# KiCad board RP2040-Breadstick Panel.kicad_pcb (continued)
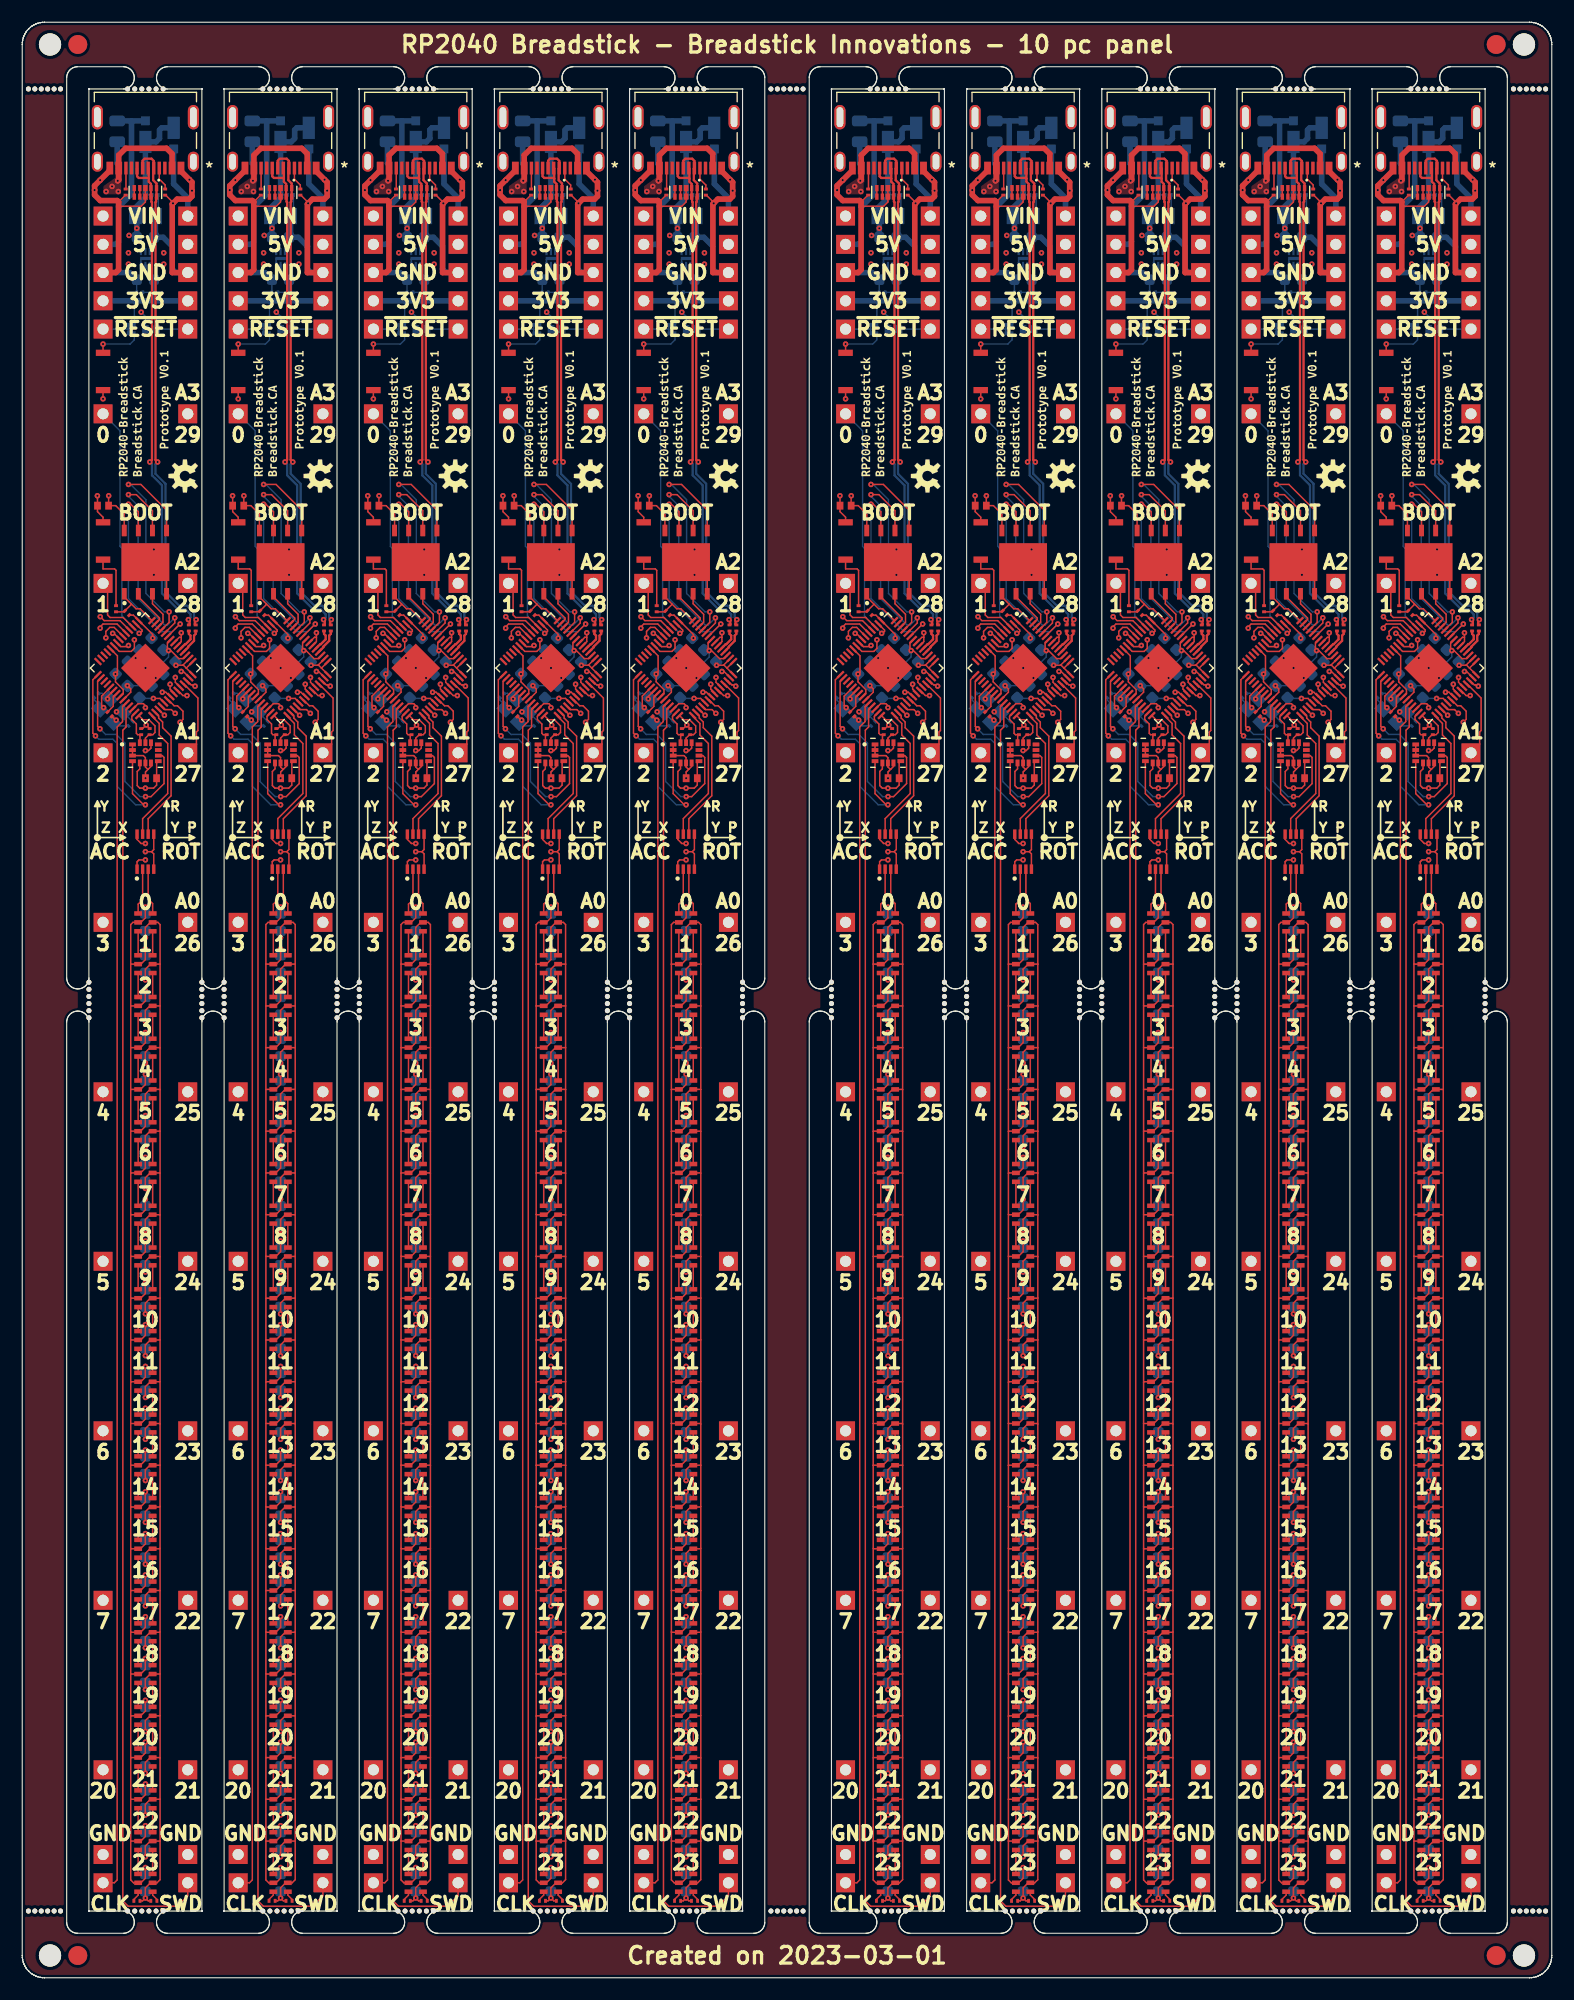
[diagram p0: board, top side]
## Routing (per net, layer and track width the routed paths; a pad name or vN(x,y) marks a point on that pad's centre or on a via; arc(x,y) is an arc through that point) (continued)
Board_7-/RP2040/D6: length 73.9
  L1_SIG.Cu w0.127: v1(100.68,119.79) 100.57,119.69 99.99,119.69 U201#5.8
  L3_SIG.Cu w0.127: v1(100.68,119.79) 100.32,119.79 100.04,119.51 100.04,117.72 101.1,116.66 101.1,114.03 100.91,113.84 100.91,112.07 100.85,112.01 100.85,108.08 100.7,107.93 100.7,92.21 100.18,91.69 100.18,63.31 98.39,61.52 J211#3.1
Board_7-/RP2040/D7: length 91.4
  L1_SIG.Cu w0.127: v1(101.21,120.3) 101.21,119.54 100.93,119.26 99.85,119.26 U201#5.9
  L3_SIG.Cu w0.127: v1(101.21,120.3) 101.21,119.33 100.81,118.93 100.81,118.17 101.87,117.11 101.87,114.79 101.53,114.45 101.53,113.42 101.3,113.19 101.3,107.8 101.18,107.68 101.18,91.44 100.94,91.2 100.94,62.09 99.72,60.87 99.72,44.1 98.39,42.77 J212#4.1
Board_7-/RP2040/D20: length 98.8
  L1_SIG.Cu w0.127: v1(103.91,113.52) 103.89,113.52 U201#5.31
  L3_SIG.Cu w0.127: v1(103.91,113.52) 102.39,113.52 101.71,112.84 101.71,61.15 100.97,60.41 100.97,32.49 98.39,29.91 J204#6.1
Board_7-/RP2040/D21: length 99.2
  L1_SIG.Cu w0.127: U201#5.32 103.95,114.03 104.54,114.03 104.87,113.69 v1(104.88,113.69)
  L3_SIG.Cu w0.127: v1(104.88,113.69) 104.68,113.49 104.68,113.17 104.51,113 103.71,113 102.71,112 102.71,61.15 103.46,60.4 103.46,32.39 106.01,29.84 J203#9.1
Board_7-/RP2040/D22: length 84.5
  L1_SIG.Cu w0.127: v1(105.32,112.89) 105.58,113.15 105.58,113.88 105.09,114.37 104.79,114.37 104.25,114.91 U201#5.34
  L3_SIG.Cu w0.127: v1(105.32,112.89) 105.04,112.61 103.97,112.61 103.18,111.82 103.18,107.82 103.26,107.74 103.26,91.48 103.49,91.25 103.49,62.28 104.71,61.06 104.71,44.18 105.95,42.94 105.95,34 J213#4.1
Board_7-/RP2040/D23: length 71.1
  L1_SIG.Cu w0.127: U201#5.35 104.43,115.19 104.03,115.59 v1(103.72,115.59)
  L3_SIG.Cu w0.127: v1(103.72,115.59) 104.04,115.59 105.84,113.79 105.84,112.48 105.6,112.24 104.18,112.24 103.64,111.7 103.64,108.08 103.78,107.94 103.78,92.01 104.23,91.56 104.23,63.31 106.01,61.53 J214#10.1
Board_7-/RP2040/D24: length 56.2
  L1_SIG.Cu w0.127: U201#5.36 104.77,115.52 104.42,115.87 v1(104.42,116.31)
  L3_SIG.Cu w0.127: v1(104.42,116.31) 104.42,115.87 106.21,114.08 106.21,112.19 105.93,111.92 104.38,111.92 104.06,111.6 104.06,108.31 104.32,108.05 104.32,92.71 104.88,92.15 104.88,78.12 106.01,76.99 J215#6.1
Board_7-/RP2040/D25: length 39.4
  L1_SIG.Cu w0.127: v1(105.94,115.29) 105.57,115.29 105.1,115.76 U201#5.37
  L3_SIG.Cu w0.127: v1(105.94,115.29) 106.56,114.67 106.56,111.95 106.24,111.63 104.66,111.63 104.47,111.44 104.47,108.69 104.89,108.27 104.89,93.35 106.01,92.23 J202#2.1
Board_7-/RP2040/MCU_QSPI_CSN: length 5.4
  L1_SIG.Cu w0.127: 100.92,123.54 101.36,123.09 101.72,123.09 U201#5.56 ; 100.92,123.54 100.92,123.47 R205#4.2 100.27,122.82 R204#8.2 ; 100.92,123.54 100.3,124.16 U203#6.1
Board_7-/RP2040/MCU_QSPI_SCLK: length 20.6
  L1_SIG.Cu w0.127: v1(104.84,122.28) 104.84,121.82 U201#5.52 ; U203#6.6 102.84,131.91 101.39,133.36 v1(100.68,133.36)
  L8_SIG.Cu w0.127: v1(104.84,122.28) 104.18,121.62 103.93,121.62 101.54,124.01 101.54,132.34 100.68,133.2 v1(100.68,133.36)
Board_7-/RP2040/MCU_QSPI_SD0: length 21.5
  L1_SIG.Cu w0.127: U203#6.5 104.11,131.96 101.79,134.27 v1(100.68,134.27) ; v1(104.33,122.81) 104.33,121.87 U201#5.53
  L8_SIG.Cu w0.127: v1(100.68,134.27) 100.88,134.27 102.25,132.9 102.25,124.47 103.9,122.81 v1(104.33,122.81)
Board_7-/RP2040/MCU_QSPI_SD1: length 3.6
  L1_SIG.Cu w0.127: U201#5.55 103.47,122.14 103.47,122.26 101.56,124.16 U203#6.2
Board_7-/RP2040/MCU_QSPI_SD2: length 3.5
  L1_SIG.Cu w0.127: U203#6.3 102.84,123.55 103.78,122.6 103.78,121.89 U201#5.54
Board_7-/RP2040/MCU_QSPI_SD3: length 19.1
  L1_SIG.Cu w0.127: v1(100.68,132.49) 100.88,132.49 101.56,131.81 U203#6.7 ; v1(105.32,121.72) 105.31,121.72 U201#5.51
  L8_SIG.Cu w0.127: v1(105.32,121.72) 104.64,121.04 103.65,121.04 100.68,124.01 v1(100.68,132.49)
Board_7-/RP2040/MCU_USB_D+: length 2.1
  L1_SIG.Cu w0.2: U201#5.47 105.76,119.91 105.82,119.91
  L1_SIG.Cu w0.203: 105.82,119.91 106.26,120.35 106.26,120.68 106.11,120.83 R203#2.1
Board_7-/RP2040/MCU_USB_D-: length 2.3
  L1_SIG.Cu w0.2: U201#5.46 106.05,119.63 106.05,119.68
  L1_SIG.Cu w0.203: 106.05,119.68 106.58,120.21 106.58,120.68 106.72,120.83 R202#5.1
Board_7-/RP2040/USB_D+: length 45.2
  L1_SIG.Cu w0.203: 102.5,161.77 102.44,161.83 101.6,161.83 101.45,161.98 J221#10.B6 ; 102.5,161.77 102.5,162.67 J221#10.A6 ; 102.5,161.77 102.5,161.49 102.7,161.29 U202#6.2 U202#6.9 102.74,160.11 102.74,159.7 102.79,159.64 102.79,136.48 v1(102.6,136.29) ; R203#2.2 106.18,121.71 106.18,122 v1(106.07,122.12)
  L8_SIG.Cu w0.203: v1(106.07,122.12) 106.26,122.31 106.26,122.6 105.8,123.05 105.11,123.05 103.69,124.47 103.69,134.19 102.79,135.09 102.79,136.1 v1(102.6,136.29)
Board_7-/RP2040/USB_D-: length 45.9
  L1_SIG.Cu w0.203: v1(106.77,122.12) 106.65,122 106.65,121.71 R202#5.2 ; J221#10.A7 101.95,163.38 102.13,163.56 102.75,163.56 102.95,163.36 J221#10.B7 102.9,162.67 102.9,161.63 103.2,161.33 U202#6.1 U202#6.10 103.16,160.11 103.16,159.7 103.11,159.64 103.11,136.48 v1(103.3,136.29)
  L8_SIG.Cu w0.203: v1(106.77,122.12) 106.58,122.31 106.58,122.73 105.94,123.37 105.25,123.37 104.01,124.61 104.01,134.33 103.11,135.23 103.11,136.1 v1(103.3,136.29)
Board_7-/RP2040/~{RESET}: length 49.9
  L1_SIG.Cu w0.127: U201#5.26 101.55,114.56 102.02,114.56 102.2,114.38 v1(102.2,114.2)
  L3_SIG.Cu w0.127: 101.56,148.24 101.56,121.77 102.25,121.09 102.25,118.52 102.83,117.94 102.83,117.49 102.43,117.09 102.43,114.43 v1(102.2,114.2)
  L3_SIG.Cu w0.5: J201#9.1 J222#7.1
  L8_SIG.Cu w0.127: C207#3.1 J201#9.1 ; 100.66,148.22 100.63,148.24 J222#7.1 ; 100.66,148.22 R211#6.2 ; 100.66,148.22 R208#10.2
Board_7-GND: length 241.1
  L1_SIG.Cu w0.127: 102.76,101.25 102.95,101.44 IC301#4.5 ; 102.76,101.25 v1(102.2,101.25) ; 102.76,101.25 102.95,101.06 IC301#4.4 ; U202#6.3 U202#6.8 102.2,159.67 101.82,159.29 99.79,159.29 ; 103.52,12.3 103.51,12.29 LED323#7.2 102.65,12.29 102.2,11.84 v1(102.2,10.88) ; 103.52,12.3 103.52,8.82 103.24,8.54 LED324#10.2 102.65,8.54 102.2,8.08 v1(102.2,7.17) ; 103.52,12.3 103.52,16.06 ; v1(102.2,7.17) 101.95,6.91 R304#4.2 ; v1(102.2,7.17) 102.45,6.91 R305#8.2 ; 103.52,38.61 103.52,34.8 ; 103.52,38.61 103.48,38.57 LED316#6.2 102.62,38.57 102.2,38.16 v1(102.2,37.19) ; 103.52,38.61 103.52,42.37 ; 103.52,34.8 103.52,31.1 ; 103.52,34.8 103.51,34.82 LED317#9.2 102.62,34.82 102.2,34.4 v1(102.2,33.43) ; 102.45,108.67 102.4,108.67 102.2,108.87 U401#10.6 102.2,109.71 102.02,109.89 U401#10.3 U401#10.2 U401#10.1 ; 102.45,108.67 102.21,108.42 v1(102.21,107.86) C401#3.2 ; 102.45,108.67 102.7,108.91 U401#10.7 ; 103.52,49.79 103.52,46.08 ; 103.52,49.79 103.52,53.6 ; 103.52,49.79 103.47,49.84 LED313#3.2 102.65,49.84 102.2,49.38 v1(102.2,48.42) ; 103.52,46.08 LED314.2 102.61,46.08 102.2,45.67 v1(102.2,44.71) ; 103.52,46.08 103.52,42.37 ; v1(104.68,159.55) 104.68,159.63 104.02,160.28 R207#10.2 ; 103.52,27.34 103.52,23.58 ; 103.52,27.34 103.52,31.1 ; 103.52,27.34 103.49,27.31 LED319#9.2 102.63,27.31 102.2,26.88 v1(102.2,25.91) ; 103.52,23.58 103.5,23.55 LED320#4.2 102.63,23.55 102.2,23.12 v1(102.2,22.15) ; 103.52,23.58 103.52,19.77 ; U203#6.4 104.11,127.29 v1(102.96,128.43) ; 103.52,16.06 103.51,16.04 LED322#7.2 102.64,16.04 102.2,15.6 v1(102.2,14.64) ; 103.52,16.06 103.52,19.77 ; v1(102.96,126.14) 102.96,126.52 U203#6.9 ; v1(102.2,89.72) 102.2,90.68 102.66,91.14 LED302#6.2 103.52,91.14 ; v1(102.2,78.49) 102.2,79.46 102.62,79.88 LED305#6.2 103.51,79.88 103.52,79.86 ; v1(102.2,59.7) 102.2,60.66 102.64,61.1 LED310#3.2 103.5,61.1 103.52,61.12 ; 103.52,53.6 103.51,53.59 LED312.2 102.65,53.59 102.2,53.14 v1(102.2,52.18) ; 103.52,53.6 103.52,57.36 ; 103.52,87.38 103.52,83.62 ; 103.52,87.38 103.52,91.14 ; 103.52,87.38 103.52,87.39 LED303#9.2 102.61,87.39 102.2,86.98 v1(102.2,86.01) ; 103.52,83.62 103.51,83.63 LED304#6.2 102.61,83.63 102.2,83.22 v1(102.2,82.25) ; 103.52,83.62 103.52,79.86 ; 103.52,91.14 103.52,94.7 103.32,94.9 LED301#6.2 102.65,94.9 102.2,94.44 v1(102.2,93.53) ; 103.52,76.1 103.5,76.12 LED306.2 102.62,76.12 102.2,75.7 v1(102.2,74.73) ; 103.52,76.1 103.52,79.86 ; 103.52,76.1 103.52,72.34 ; 103.52,64.83 103.52,61.12 ; 103.52,64.83 103.49,64.86 LED309.2 102.64,64.86 102.2,64.42 v1(102.2,63.45) ; 103.52,64.83 103.52,68.59 ; 103.52,61.12 103.52,57.36 ; 103.52,68.59 103.49,68.61 LED308#5.2 102.63,68.61 102.2,68.18 v1(102.2,67.21) ; 103.52,68.59 103.52,72.34 ; 103.52,19.77 103.49,19.8 LED321#6.2 102.64,19.8 102.2,19.36 v1(102.2,18.4) ; 103.52,31.1 103.49,31.06 LED318#10.2 102.63,31.06 102.2,30.64 v1(102.2,29.67) ; 103.52,42.37 103.48,42.33 LED315#4.2 102.61,42.33 102.2,41.92 v1(102.2,40.95) ; v1(98.44,114.2) 98.26,114.38 98.26,115.24 U201#5.19 ; v1(102.2,70.97) 102.2,71.94 102.63,72.37 LED307#10.2 103.5,72.37 103.52,72.34 ; 103.52,57.36 103.51,57.35 LED311#10.2 102.65,57.35 102.2,56.9 v1(102.2,55.94) ; R206#3.2 100.4,160.28 99.8,159.68 99.77,159.68 ; v1(97.88,133.25) 97.89,133.25 C216#8.2 97.89,131.82 98.39,131.32 SW201#7.1 ; SW202#9.1 v1(98.39,141.97)
  L1_SIG.Cu w0.5: J221#10.A1/B12 105.4,162.44 v1(106.16,161.68) 106.39,161.45 v1(106.39,160.69) 106.39,160.18 106.14,159.92 105.06,159.92 v1(104.68,159.55) 104.61,159.48 104.61,153.32 J506#5.1 ; J505#4.1 99.53,153.32 99.79,153.57 99.79,159.67 99.66,159.8 98.14,159.8 97.63,160.31 v1(97.63,160.74) 97.63,161.13 v1(98.13,161.63) 99,162.5 J221#10.B1/A12
  L3_SIG.Cu w0.5: J505#4.1 J506#5.1
  L8_SIG.Cu w0.127: v1(102.2,82.25) C306#3.2 ; v1(102.2,22.15) C322#2.2 ; v1(102.2,40.95) C317#2.2 ; U501#10.7 101.87,154.59 101.8,154.52 U501#10.3 ; v1(101.82,149.76) 102.21,149.38 C207#3.2 ; C309#10.2 102.2,71.58 v1(102.2,70.97) ; v1(102.2,86.01) C305#6.2 ; v1(102.2,18.4) C323.2 ; C201#10.2 97.61,114.88 98.09,114.41 ; v1(102.2,93.53) 102.2,94.13 ; C501.2 103.36,158.66 R501#6.1 ; v1(102.2,10.88) C325#6.2 ; v1(102.2,67.21) C310#4.2 ; v1(102.2,89.72) C304#5.2 ; v1(102.2,52.18) C314#5.2 ; v1(102.2,78.49) C307.2 ; C203#6.2 101.04,112.95 100.21,113.78 Y201.2 ; R502#6.1 101.42,152.68 C503#9.2 ; v1(102.2,74.73) 102.2,75.34 C308#7.2 ; v1(102.2,14.64) C324#7.2 ; v1(102.2,63.45) C311#2.2 ; v1(102.2,44.71) C316#5.2 ; v1(102.2,29.67) C320#5.2 ; v1(102.2,55.94) C313#2.2 ; v1(102.2,33.43) C319#9.2 ; v1(102.2,37.19) C318#5.2 ; v1(102.2,7.17) C326#9.2 ; v1(102.2,59.7) C312#5.2 ; v1(102.2,48.42) C315#4.2 ; v1(102.2,25.91) C321#8.2
  L8_SIG.Cu w0.203: C503#9.2 101.8,153.06 U501#10.3
  L8_SIG.Cu w0.5: C503#9.2 101.41,152.69 100.78,153.32 J505#4.1 ; C501.2 103.1,156.62 C502#8.2 103.8,156.5 104.61,155.68 104.61,153.62 104.92,153.32 J506#5.1
  vias: v1(99.6,113.83) v1(101.32,118.66) v1(102.21,117.77) v1(103.13,116.87)
Board_7-IMU_INT1: length 19.6
  L1_SIG.Cu w0.127: v1(102.2,105.47) 102.04,105.47 101.04,106.47 U401#10.4 ; v1(97.71,111.66) 97.47,111.9 97.47,116.71 U201#5.15
  L8_SIG.Cu w0.127: v1(97.71,111.66) 98.01,111.36 99.28,111.36 99.68,110.96 99.68,107.11 101.32,105.47 v1(102.2,105.47)
Board_7-IMU_INT2: length 18.5
  L1_SIG.Cu w0.127: U401#10.9 103.71,109.89 103.88,109.72 103.88,107.37 102.71,106.2 v1(102.21,106.2) ; U201#5.16 97.9,116.57 97.9,112.51 v1(98.11,112.3)
  L8_SIG.Cu w0.127: v1(102.21,106.2) 101.72,106.2 100.36,107.56 100.36,111.01 99.58,111.79 98.62,111.79 v1(98.11,112.3)
Board_7-IMU_SCL: length 3.9
  L1_SIG.Cu w0.127: U201#5.28 101.98,113.12 102.51,113.12 103.06,112.56 103.06,111.97 102.86,111.77 R210#10.1 102.51,111.77 102.2,111.46 U401#10.13
Board_7-IMU_SDA: length 3.4
  L1_SIG.Cu w0.127: U201#5.27 100.98,113.43 100.98,113.14 101.39,112.73 101.39,111.89 101.51,111.77 R209#8.1 101.71,111.66 101.71,111.06 U401#10.14
Board_7-LED_CLK: length 12.2
  L1_SIG.Cu w0.127: IC301#4.7 101.95,104.23 104.21,106.48 104.21,110.98 103.44,111.74 103.44,112.78 102.79,113.44 U201#5.29
Board_7-LED_DATA: length 12.4
  L1_SIG.Cu w0.127: IC301#4.6 102.45,104.22 104.51,106.28 104.51,111.64 103.75,112.4 103.75,112.91 103.39,113.26 103.39,113.45 U201#5.30
Board_7-Net-(C201-Pad1): length 2
  L1_SIG.Cu w0.127: U201#5.20 98.8,115.2 v1(98.8,114.99)
  L8_SIG.Cu w0.127: v1(98.8,114.99) 98.3,115.49 C201#10.1
Board_7-Net-(C203-Pad1): length 2.1
  L1_SIG.Cu w0.127: R201#10.1 99.51,113.08 v1(99.57,113.08)
  L8_SIG.Cu w0.127: C203#6.1 99.57,112.56 Y201.3
Board_7-Net-(J221-PadA5): length 2.1
  L1_SIG.Cu w0.127: R207#10.1 103.98,161.19 103.45,161.72 J221#10.A5
Board_7-Net-(J221-PadB5): length 1.9
  L1_SIG.Cu w0.127: J221#10.B5 100.45,160.86 R206#3.1
Board_7-Net-(LED301-Pad1): length 2.2
  L1_SIG.Cu w0.127: LED301#6.1 LED302#6.3
Board_7-Net-(LED301-Pad6): length 2.2
  L1_SIG.Cu w0.127: LED301#6.6 LED302#6.4
Board_7-Net-(LED302-Pad1): length 2.2
  L1_SIG.Cu w0.127: LED302#6.1 LED303#9.3
Board_7-Net-(LED302-Pad6): length 2.2
  L1_SIG.Cu w0.127: LED302#6.6 LED303#9.4
Board_7-Net-(LED303-Pad1): length 2.2
  L1_SIG.Cu w0.127: LED303#9.1 LED304#6.3
Board_7-Net-(LED303-Pad6): length 2.2
  L1_SIG.Cu w0.127: LED303#9.6 LED304#6.4
Board_7-Net-(LED304-Pad1): length 2.2
  L1_SIG.Cu w0.127: LED304#6.1 LED305#6.3
Board_7-Net-(LED304-Pad6): length 2.2
  L1_SIG.Cu w0.127: LED304#6.6 LED305#6.4
Board_7-Net-(LED305-Pad1): length 2.2
  L1_SIG.Cu w0.127: LED305#6.1 LED306.3
Board_7-Net-(LED305-Pad6): length 2.2
  L1_SIG.Cu w0.127: LED305#6.6 LED306.4
Board_7-Net-(LED306-Pad1): length 2.2
  L1_SIG.Cu w0.127: LED306.1 LED307#10.3
Board_7-Net-(LED306-Pad6): length 2.2
  L1_SIG.Cu w0.127: LED306.6 LED307#10.4
Board_7-Net-(LED307-Pad1): length 2.2
  L1_SIG.Cu w0.127: LED307#10.1 LED308#5.3
Board_7-Net-(LED307-Pad6): length 2.2
  L1_SIG.Cu w0.127: LED307#10.6 LED308#5.4
Board_7-Net-(LED308-Pad1): length 2.2
  L1_SIG.Cu w0.127: LED308#5.1 LED309.3
Board_7-Net-(LED308-Pad6): length 2.2
  L1_SIG.Cu w0.127: LED308#5.6 LED309.4
Board_7-Net-(LED309-Pad1): length 2.2
  L1_SIG.Cu w0.127: LED309.1 LED310#3.3
Board_7-Net-(LED309-Pad6): length 2.2
  L1_SIG.Cu w0.127: LED309.6 LED310#3.4
Board_7-Net-(LED310-Pad1): length 2.2
  L1_SIG.Cu w0.127: LED310#3.1 LED311#10.3
Board_7-Net-(LED310-Pad6): length 2.2
  L1_SIG.Cu w0.127: LED310#3.6 LED311#10.4
Board_7-Net-(LED311-Pad1): length 2.2
  L1_SIG.Cu w0.127: LED311#10.1 LED312.3
Board_7-Net-(LED311-Pad6): length 2.2
  L1_SIG.Cu w0.127: LED311#10.6 LED312.4
Board_7-Net-(LED312-Pad1): length 2.2
  L1_SIG.Cu w0.127: LED312.1 LED313#3.3
Board_7-Net-(LED312-Pad6): length 2.2
  L1_SIG.Cu w0.127: LED312.6 LED313#3.4
Board_7-Net-(LED313-Pad1): length 2.2
  L1_SIG.Cu w0.127: LED313#3.1 LED314.3
Board_7-Net-(LED313-Pad6): length 2.2
  L1_SIG.Cu w0.127: LED313#3.6 LED314.4
Board_7-Net-(LED314-Pad1): length 2.2
  L1_SIG.Cu w0.127: LED314.1 LED315#4.3
Board_7-Net-(LED314-Pad6): length 2.2
  L1_SIG.Cu w0.127: LED314.6 LED315#4.4
Board_7-Net-(LED315-Pad1): length 2.2
  L1_SIG.Cu w0.127: LED315#4.1 LED316#6.3
Board_7-Net-(LED315-Pad6): length 2.2
  L1_SIG.Cu w0.127: LED315#4.6 LED316#6.4
Board_7-Net-(LED316-Pad1): length 2.2
  L1_SIG.Cu w0.127: LED316#6.1 LED317#9.3
Board_7-Net-(LED316-Pad6): length 2.2
  L1_SIG.Cu w0.127: LED316#6.6 LED317#9.4
Board_7-Net-(LED317-Pad1): length 2.2
  L1_SIG.Cu w0.127: LED317#9.1 LED318#10.3
Board_7-Net-(LED317-Pad6): length 2.2
  L1_SIG.Cu w0.127: LED317#9.6 LED318#10.4
Board_7-Net-(LED318-Pad1): length 2.2
  L1_SIG.Cu w0.127: LED318#10.1 LED319#9.3
Board_7-Net-(LED318-Pad6): length 2.2
  L1_SIG.Cu w0.127: LED318#10.6 LED319#9.4
Board_7-Net-(LED319-Pad1): length 2.2
  L1_SIG.Cu w0.127: LED319#9.1 LED320#4.3
Board_7-Net-(LED319-Pad6): length 2.2
  L1_SIG.Cu w0.127: LED319#9.6 LED320#4.4
Board_7-Net-(LED320-Pad1): length 2.2
  L1_SIG.Cu w0.127: LED320#4.1 LED321#6.3
Board_7-Net-(LED320-Pad6): length 2.2
  L1_SIG.Cu w0.127: LED320#4.6 LED321#6.4
Board_7-Net-(LED321-Pad1): length 2.2
  L1_SIG.Cu w0.127: LED321#6.1 LED322#7.3
Board_7-Net-(LED321-Pad6): length 2.2
  L1_SIG.Cu w0.127: LED321#6.6 LED322#7.4
Board_7-Net-(LED322-Pad1): length 2.2
  L1_SIG.Cu w0.127: LED322#7.1 LED323#7.3
Board_7-Net-(LED322-Pad6): length 2.2
  L1_SIG.Cu w0.127: LED322#7.6 LED323#7.4
Board_7-Net-(LED323-Pad1): length 2.2
  L1_SIG.Cu w0.127: LED323#7.1 LED324#10.3
Board_7-Net-(LED323-Pad6): length 2.2
  L1_SIG.Cu w0.127: LED323#7.6 LED324#10.4
Board_7-Net-(LED324-Pad1): length 1
  L1_SIG.Cu w0.127: R305#8.1 103.24,7.05 102.85,7.43 LED324#10.1
Board_7-Net-(LED324-Pad6): length 1
  L1_SIG.Cu w0.127: LED324#10.6 101.55,7.43 101.16,7.05 R304#4.1
Board_7-Net-(R201-Pad2): length 2
  L1_SIG.Cu w0.127: U201#5.21 99.3,115.15 99.3,114.32 R201#10.2
Board_7-Net-(R204-Pad1): length 5.2
  L1_SIG.Cu w0.127: R204#8.1 99.56,126.55 99.43,126.68 98.39,126.68 SW201#7.2
Board_7-Net-(R211-Pad1): length 4.3
  L1_SIG.Cu w0.127: SW202#9.2 v1(98.39,146.89)
  L8_SIG.Cu w0.127: 101.2,147.86 101.2,147.27 100.83,146.89 v1(98.39,146.89)
Board_7-Net-(U202-Pad4): length 0.8
  L1_SIG.Cu w0.127: U202#6.4 U202#6.7
Board_7-Net-(U202-Pad5): length 0.8
  L1_SIG.Cu w0.127: U202#6.5 U202#6.6
Board_7-SWCLK: length 107.5
  L1_SIG.Cu w0.127: U201#5.24 100.14,114.29 100.14,112.95 99.66,112.46 99.66,8.79 99.41,8.54 J223#7.1
Board_7-SWD: length 115.3
  L1_SIG.Cu w0.127: J224#9.1 106.01,7.37 105.07,6.43 100.65,6.43 100.17,6.91 100.17,112.17 100.46,112.46 100.46,114.04 U201#5.25
Board_7-VBUS: length 12.5
  L1_SIG.Cu w0.5: J221#10.A4/B9 104.6,164 104.11,164.5 100.42,164.5 99.8,163.87 J221#10.B4/A9 99.8,161.66 v1(99.71,161.58)
  L8_SIG.Cu w0.5: v1(99.71,161.58) 99.79,161.65 99.79,163 99.66,163.12 F501#9.1
  vias: v1(98.67,160.61) v1(99.2,161.07) v1(99.76,160.61)
Board_7-VHI: length 174.3
  L1_SIG.Cu w0.127: 100.88,23.53 100.91,23.55 LED320#4.5 101.77,23.55 102.2,23.98 v1(102.2,24.95) ; 100.88,23.53 100.88,27.34 ; 100.88,23.53 100.88,19.77 ; v1(102.2,39.93) 102.2,39.02 101.75,38.57 LED316#6.5 100.92,38.57 100.88,38.61 ; v1(102.2,84.99) 102.2,84.08 101.75,83.63 LED304#6.5 100.89,83.63 100.88,83.62 ; 100.88,79.86 100.89,79.88 LED305#6.5 101.76,79.88 102.2,80.32 v1(102.2,81.23) ; 100.88,79.86 100.88,83.62 ; 100.88,79.86 100.88,76.1 ; 100.88,31.1 100.88,27.34 ; 100.88,31.1 100.91,31.06 LED318#10.5 101.76,31.06 102.2,31.5 v1(102.2,32.47) ; 100.88,31.1 100.88,34.8 ; 100.88,27.34 100.91,27.31 LED319#9.5 101.77,27.31 102.2,27.74 v1(102.2,28.71) ; v1(102.2,43.69) 102.2,42.78 101.75,42.33 LED315#4.5 100.92,42.33 100.88,42.37 ; 100.88,19.77 100.88,16.06 ; 100.88,19.77 100.91,19.8 LED321#6.5 101.78,19.8 102.2,20.22 v1(102.2,21.19) ; 100.88,16.06 100.89,16.04 LED322#7.5 101.78,16.04 102.2,16.46 v1(102.2,17.43) ; 100.88,16.06 100.88,12.3 ; 100.88,38.61 100.88,42.37 ; 100.88,38.61 100.88,34.8 ; 100.88,83.62 100.88,87.38 ; v1(102.2,62.49) 102.2,61.52 101.78,61.1 LED310#3.5 100.91,61.1 100.88,61.07 ; 100.88,91.14 100.88,87.38 ; 100.88,91.14 100.88,94.7 101.08,94.9 LED301#6.5 101.79,94.9 102.2,95.31 v1(102.2,96.27) ; 100.88,91.14 LED302#6.5 101.79,91.14 102.2,91.55 v1(102.2,92.51) ; 100.88,87.38 100.88,87.39 LED303#9.5 101.75,87.39 102.2,87.84 v1(102.2,88.75) ; 100.88,61.07 100.88,57.36 ; 100.88,61.07 100.88,64.88 ; 100.88,57.36 100.88,53.55 ; 100.88,57.36 100.89,57.35 LED311#10.5 101.78,57.35 102.2,57.77 v1(102.2,58.73) ; 100.88,68.64 100.9,68.61 LED308#5.5 101.77,68.61 102.2,69.04 v1(102.2,70.01) ; 100.88,68.64 100.88,72.34 ; 100.88,68.64 100.88,64.88 ; 100.88,12.3 100.88,8.79 101.14,8.54 LED324#10.5 101.79,8.54 102.2,8.95 v1(102.2,9.91) ; 100.88,12.3 100.89,12.29 LED323#7.5 101.78,12.29 102.2,12.71 v1(102.2,13.67) ; v1(102.2,100.51) 101.62,100.51 101.45,100.35 IC301#4.1 ; 100.88,53.55 100.92,53.59 LED312.5 101.79,53.59 102.2,54.01 v1(102.2,54.97) ; 100.88,53.55 100.88,49.84 ; 100.88,42.37 100.88,46.08 ; v1(102.2,66.25) 102.2,65.28 101.77,64.86 LED309.5 100.9,64.86 100.88,64.88 ; 100.88,46.08 LED314.5 101.74,46.08 102.2,46.54 v1(102.2,47.45) ; 100.88,46.08 100.88,49.84 ; v1(102.2,73.77) 102.2,72.8 101.76,72.37 LED307#10.5 100.9,72.37 100.88,72.34 ; 100.88,72.34 100.88,76.1 ; v1(102.2,77.53) 102.2,76.56 101.76,76.12 LED306.5 100.9,76.12 100.88,76.1 ; 100.88,49.84 100.88,49.84 LED313#3.5 101.79,49.84 102.2,50.25 v1(102.2,51.21) ; 100.88,34.8 100.89,34.82 LED317#9.5 101.76,34.82 102.2,35.26 v1(102.2,36.23)
  L8_SIG.Cu w0.127: v1(102.2,28.71) C321#8.1 ; v1(102.2,77.53) 102.2,76.92 C308#7.1 ; v1(102.2,88.75) C305#6.1 ; v1(102.2,54.97) C314#5.1 ; v1(102.2,9.91) C326#9.1 ; v1(102.2,70.01) C310#4.1 ; C309#10.1 102.2,73.16 v1(102.2,73.77) ; v1(102.2,32.47) C320#5.1 ; v1(102.2,62.49) C312#5.1 ; v1(102.2,58.73) C313#2.1 ; v1(102.2,96.27) C303#4.1 ; v1(102.2,84.99) C306#3.1 ; v1(102.2,17.43) C324#7.1 ; v1(102.2,21.19) C323.1 ; v1(102.2,51.21) C315#4.1 ; R501#6.2 102.33,160.31 102.2,160.43 ; v1(102.2,13.67) C325#6.1 ; v1(102.2,66.25) C311#2.1 ; v1(102.2,36.23) C319#9.1 ; v1(102.2,47.45) C316#5.1 ; v1(102.2,81.23) C307.1 ; v1(102.2,39.93) C318#5.1 ; v1(102.2,92.51) C304#5.1 ; v1(102.2,24.95) C322#2.1 ; v1(102.2,43.69) C317#2.1
  L8_SIG.Cu w0.5: D501#6.1 103.66,166.34 103.47,166.15 103.47,165.39 103.16,165.07 D502#9.1 102.2,160.05 101.3,159.15 C501.1 101.42,158.28 v1(101.42,157.31) C502#8.1
  vias: v1(100.73,156.66) v1(100.68,155.1) v1(100.68,154.08) v1(103.85,155.1) v1(103.85,154.08)
Board_7-VIN: length 14.2
  L3_SIG.Cu w0.5: J502#7.1 J501#6.1
  L8_SIG.Cu w0.5: J501#6.1 106.01,160.03 104.74,161.3 D501#6.2
Board_8-3V3_LDO: length 53.3
  L1_SIG.Cu w0.127: U401#6.8 115.37,109.24 C401#7.1 115.37,107.24 115.1,106.97 v1(114.36,106.97) 113.85,106.97 113.62,107.19 113.62,108.46 113.86,108.7 U401#6.5 ; 117.59,120.53 117.41,120.53 U201#4.49 ; 117.59,120.53 117.59,120.14 U201#4.48 ; 117.59,120.53 v1(117.59,120.94) ; U401#6.12 114.86,110.56 114.64,110.34 v1(114.36,110.34) ; R205#5.1 113.28,122.52 U201#4.1 115.02,120.78 v1(115.02,120.45) ; 118.04,117.76 117.78,118.01 117.73,118.01 ; 118.04,117.76 118.04,117.76 U201#4.43 ; 118.04,117.76 U201#4.42 ; U203#10.8 112.45,131.6 111.69,132.37 C216#9.1 111.05,133.25 v1(111.06,133.25) ; U201#4.10 111.85,118.86 111.85,117.4 v1(111.67,117.23) 111.67,116.52 112.37,115.82 112.37,115.49 U201#4.22 ; R210#3.2 114.74,112.33 v1(114.43,112.64) 114.11,112.32 R209#10.2 ; v1(114.36,101.99) 113.98,101.99 113.61,102.36 IC301#2.8 ; v1(115.08,115.03) 115.68,115.03 U201#4.33 ; 117.73,118.01 U201#4.44 ; 117.73,118.01 v1(117.1,118.01)
  L3_SIG.Cu w0.5: J508#2.1 J507#7.1
  L8_SIG.Cu w0.127: v1(111.67,117.23) 111.68,117.24 C210#8.1 ; v1(115.08,115.03) 113.88,115.03 C206#8.1 ; 113.34,150.78 113.36,150.76 R208#3.1 ; C211#8.1 117.1,118.28 v1(117.1,118.01) ; R502#7.2 115.12,151.54
  L8_SIG.Cu w0.15: 114.76,153.33 115.14,152.95 C503#3.1
  L8_SIG.Cu w0.203: U501.2 114.36,153.47 114.51,153.33 114.76,153.33 U501.1
  L8_SIG.Cu w0.5: 115.02,150.78 J507#7.1 ; 115.02,150.78 J508#2.1 ; 115.02,150.78 115.15,150.91 115.15,152.67
Board_8-+1V1: length 10.2
  L1_SIG.Cu w0.127: U201#4.23 113.04,115.59 113.04,115.88 v1(112.74,116.18) ; U201#4.45 117.76,118.61 117.37,118.61 116.65,119.33 v1(116.44,119.33) 116.34,119.44 116.34,120.02 U201#4.50
  L8_SIG.Cu w0.127: v1(116.44,119.33) 116.44,118.76 113.86,116.18 v1(112.74,116.18)
Board_8-/Addressable RGB LEDs/CLK: length 4.1
  L1_SIG.Cu w0.127: IC301#2.2 114.11,96.94 113.71,96.54 LED301#10.4
Board_8-/Addressable RGB LEDs/DATA: length 4.1
  L1_SIG.Cu w0.127: IC301#2.3 114.61,96.99 115.01,96.59 LED301#10.3
Board_8-/RP2040/ADC0: length 26.2
  L1_SIG.Cu w0.127: U201#4.38 117.05,116.48 v1(117.05,116.92)
  L3_SIG.Cu w0.127: J220#7.1 118.17,107.85 117.05,108.97 117.05,111.27 118.64,111.27 119.08,111.71 119.08,115.02 117.18,116.92 v1(117.05,116.92)
Board_8-/RP2040/ADC1: length 7.1
  L1_SIG.Cu w0.127: J219#8.1 118.95,110.92 118.95,112.01 119.08,112.15 119.08,115.07 117.83,116.32 U201#4.39
Board_8-/RP2040/ADC2: length 12.9
  L1_SIG.Cu w0.127: U201#4.40 118.12,116.6 118.47,116.25 118.58,116.25 118.7,116.13 v1(118.83,116.13)
  L3_SIG.Cu w0.127: v1(118.83,116.13) 118.83,118.91 115.96,121.78 115.96,124.11 117.23,125.38 J218#8.1
Board_8-/RP2040/ADC3: length 26.9
  L1_SIG.Cu w0.127: U201#4.41 117.78,117.46 v1(117.59,117.46)
  L3_SIG.Cu w0.127: v1(117.59,117.46) 117.94,117.81 117.94,118.62 114.94,121.62 114.94,124.45 116.47,125.98 116.47,128.07 118.17,129.77 J217#7.1
Board_8-/RP2040/D0: length 22.3
  L1_SIG.Cu w0.127: v1(113.8,120.88) 113.88,120.88 114.06,121.06 114.06,121.18 U201#4.2
  L8_SIG.Cu w0.127: v1(113.8,120.88) 112.25,122.43 112.25,128.53 112.07,128.71 112.07,139.1 J205#7.1
Board_8-/RP2040/D1: length 5.7
  L1_SIG.Cu w0.127: J206#4.1 110.96,124.97 110.96,122.54 111.19,122.31 112.36,122.31 U201#4.3
Board_8-/RP2040/D2: length 16.5
  L1_SIG.Cu w0.127: U201#4.4 112.07,122.03 110.65,122.03 v1(110.3,122.38)
  L3_SIG.Cu w0.127: v1(110.3,122.38) 109.66,121.74 109.66,113.26 109.99,112.93 110.42,112.93 110.82,112.53 110.82,111.43 110.55,111.16 J207#7.1
Board_8-/RP2040/D3: length 30.6
  L1_SIG.Cu w0.127: v1(110.29,121.35) 110.29,121.46 110.55,121.72 111.81,121.72 U201#4.5
  L3_SIG.Cu w0.127: v1(110.29,121.35) 110.27,121.33 110.27,114.94 110.09,114.76 110.09,114.03 111.68,112.44 111.68,108.93 110.55,107.8 J208#7.1
Board_8-/RP2040/D4: length 44.8
  L1_SIG.Cu w0.127: U201#4.6 111.55,121.42 111.16,121.42 110.8,121.06 v1(110.8,120.48)
  L3_SIG.Cu w0.127: J209#4.1 110.55,92.33 111.68,93.46 111.68,108.2 112.14,108.66 112.14,112.5 112.3,112.66 112.3,114.39 110.8,115.89 v1(110.8,120.48)
Board_8-/RP2040/D5: length 59